# Altium PCB smoothieboard-5driver.PcbDoc (part 2 of 5)
Units mm, origin at the board's own origin, x right, y up, seen from the top; angles counter-clockwise.
Board outline 129.55 x 105.03 mm, 4 copper layers (Top, Route2, Route15, Bottom), stack 1.46 mm thick; 318 components, 238 nets, 1069 pads, 669 vias.
Unrouted connection lines stored in the file: 1.
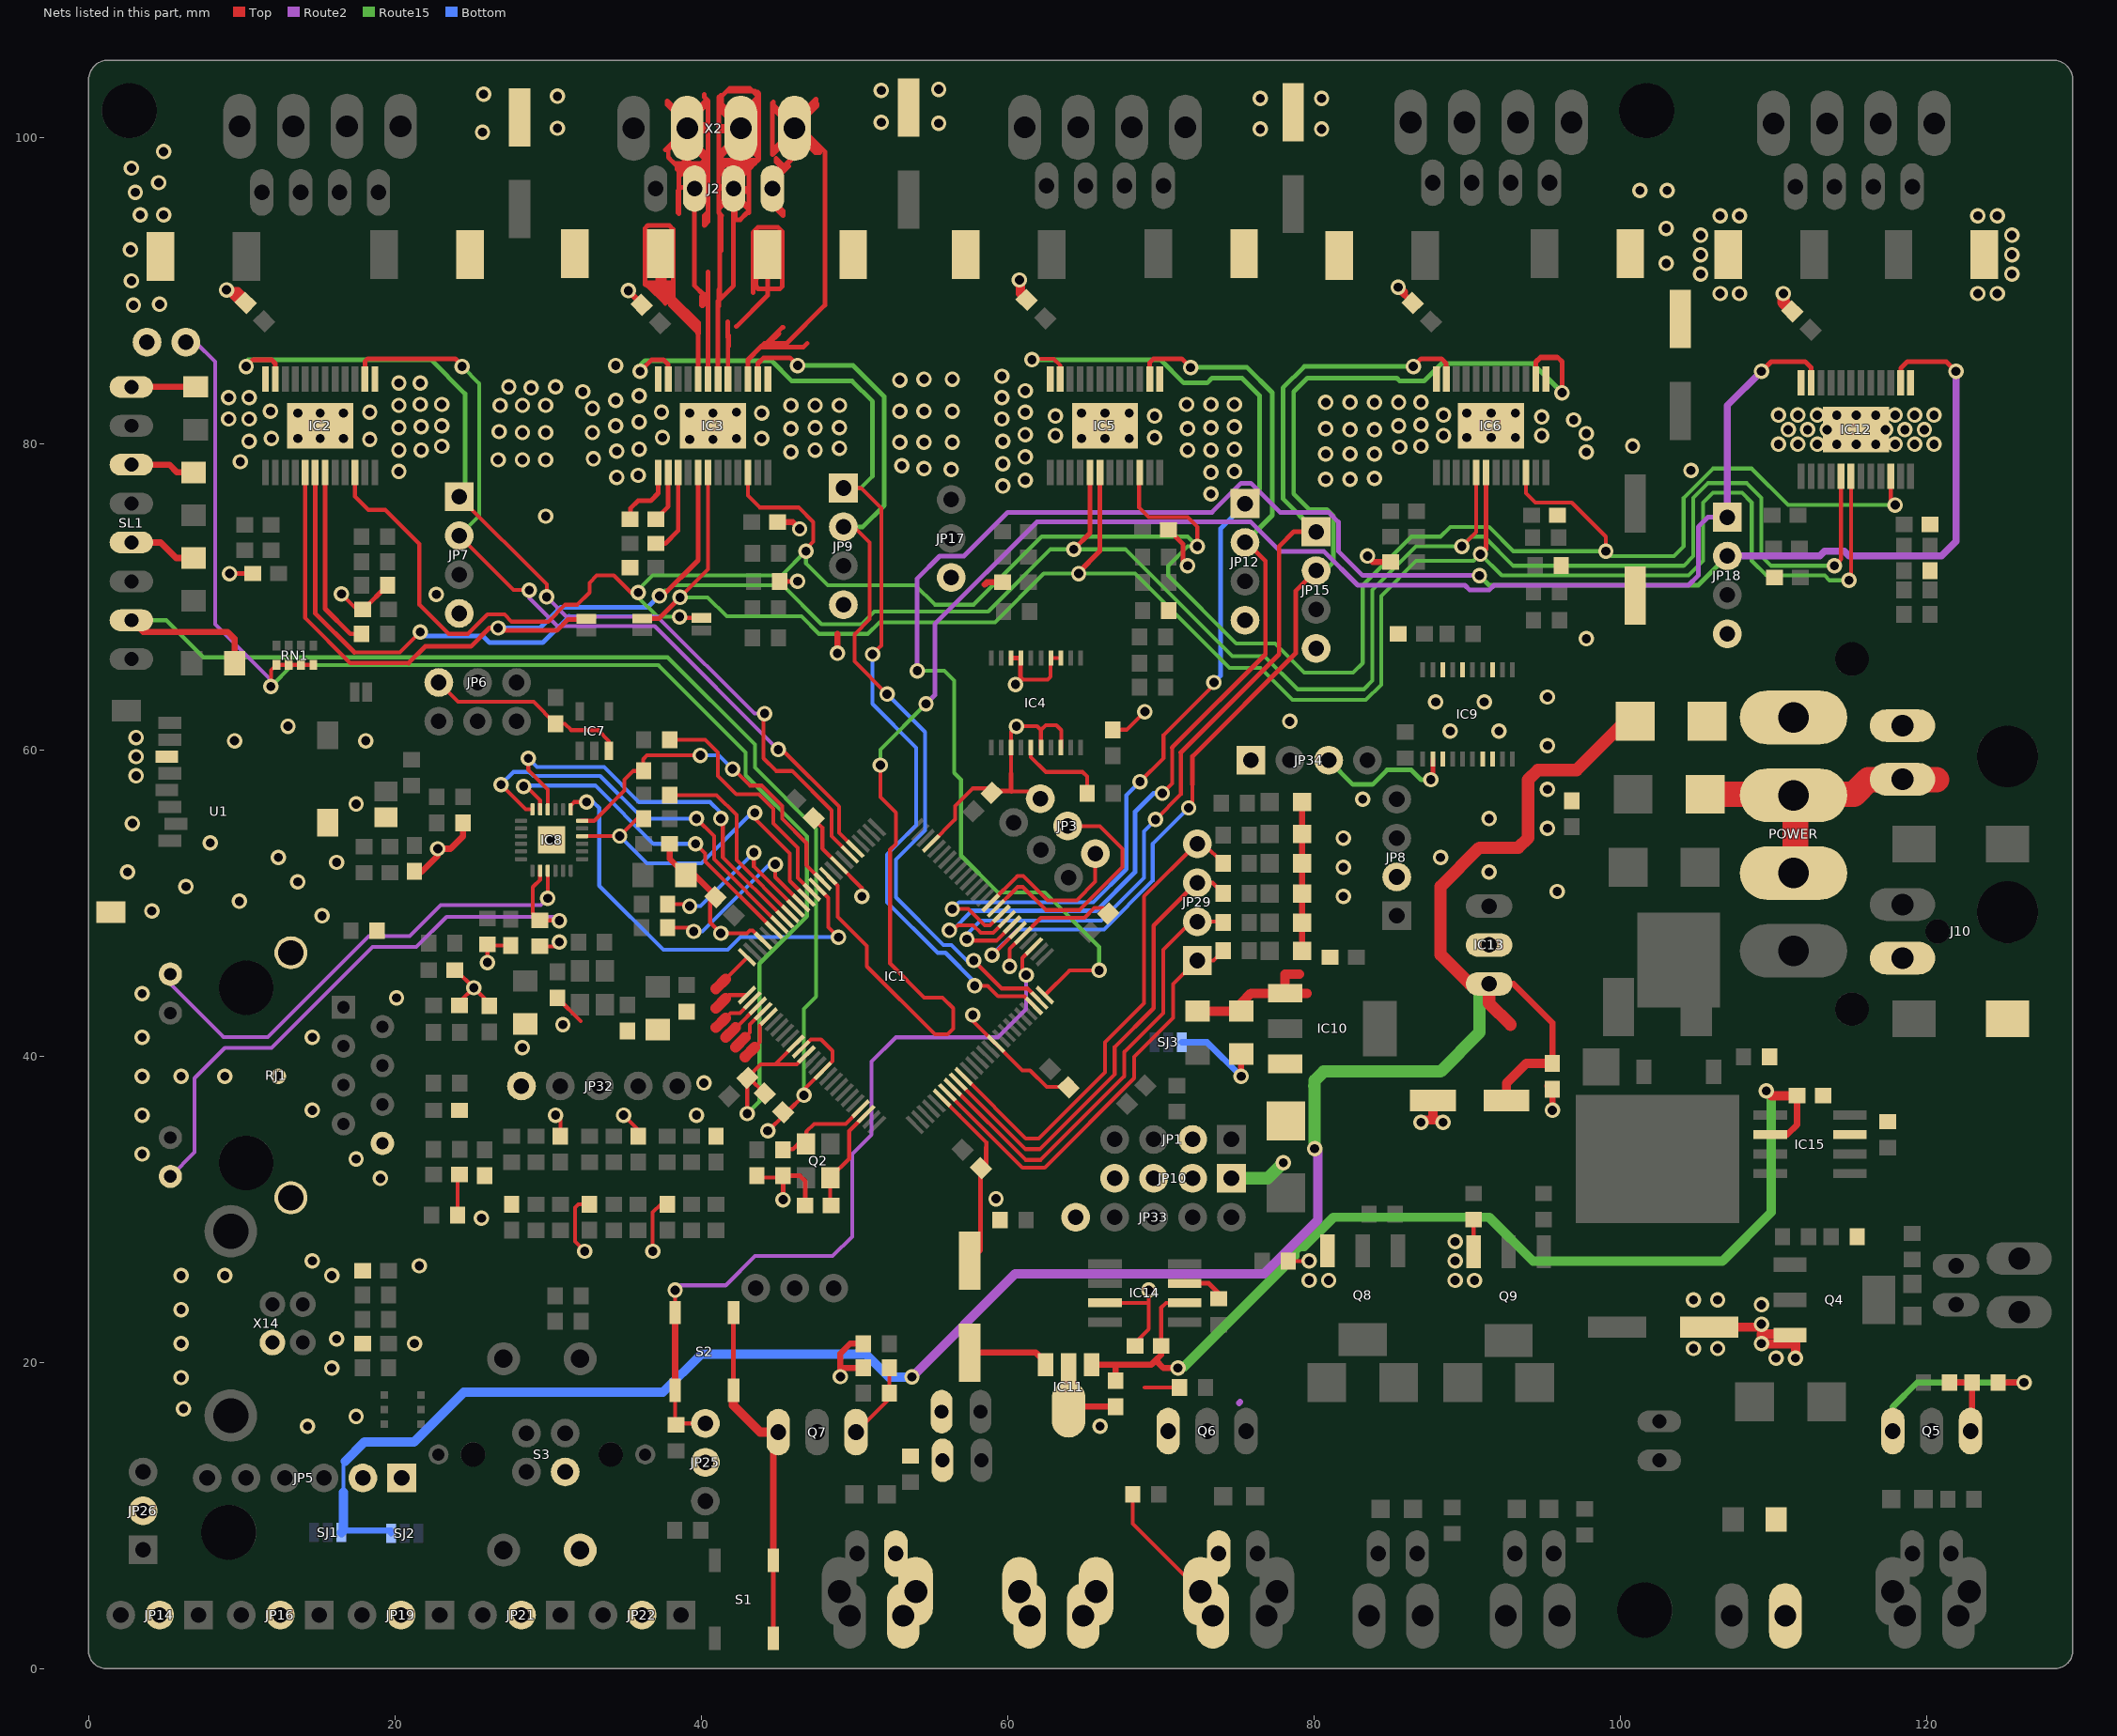
[diagram p4: the nets of this part, all layers, seen from the top]

## Via types
v1: diameter 1.006/1.006/1.006/1.006 (per signal layer), hole 0.6, Top to Bottom, tented both sides, 666 vias
v2: diameter 0.737/0.737/0.737/0.737 (per signal layer), hole 0.33, Top to Bottom, tented both sides, 2 vias
v3: diameter 1.016/1.006/1.006/1.016 (per signal layer), hole 0.6, Top to Bottom, tented both sides, 1 vias

## Nets (pads, with @x,y where several pads share a name; then routed paths per layer and width w, separated by ;. In a path a pad name is that pad's centre, name@x,y a point inside that pad or via, vN(x,y) a via of type N, cw(c..) or ccw(c..) an arc to the next point about the centre after c; other vN are vias at no path point) (continued)
5V: C64.A C76.1 C84.+ D1.C D2.C IC10.3 IC13.3 SJ1.3 SJ2.3 SJ3.3 | length 153.9
  Top w0.406: v1(75.256,38.672) C64.A@75.256,40.129 ; IC13.3@91.448,44.704 93.036,44.704 95.576,42.164 C76.1@95.576,39.521
  Top w0.61: C84.+@92.578,37.084 92.578,38.214 93.885,39.521 C76.1@95.576,39.521
  Top w0.813: 92.845,42.037 91.448,43.434 IC13.3@91.448,44.704 90.178,44.704 88.273,46.609 88.273,51.054 90.813,53.594 93.353,53.594 93.988,54.229 93.988,58.039 94.623,58.674 97.163,58.674 100.338,61.849 D2.C@100.973,61.849
  Route2 w0.61: v1(53.758,19.029) 60.508,25.779 76.758,25.779 80.258,29.279 80.258,33.739 v1(80.054,33.943)
  Route15 w0.813: 80.018,38.036 80.054,38 ; v1(80.054,33.943) 80.054,38 ; IC13.3@91.448,44.704 90.813,44.069 90.813,41.529 88.273,38.989 80.653,38.989 80.054,38.39 80.054,38
  Bottom w0.254: 16.645,11.493 16.645,13.416 16.758,13.529
  Bottom w0.406: SJ1.3@16.645,9.007 19.757,9.007 SJ2.3@19.757,8.826 ; SJ3.3@71.382,40.894 73.033,40.894 v1(75.256,38.672)
  Bottom w0.61: SJ1.3@16.512,8.874 16.645,9.007 16.645,11.493 ; 16.758,13.529 18.008,14.779 21.258,14.779 24.508,18.029 37.508,18.029 40.008,20.529 50.758,20.529 52.258,19.029 v1(53.758,19.029)
12VREG: C62.1 C66.1 C75.1 IC11.1 IC14.6 IC15.6 | length 71.9
  Top w0.254: C66.1@70.032,21.058 70.032,23.553 70.355,23.876 IC14.6@71.569,23.876
  Top w0.406: IC11.1@65.487,19.84 67.062,19.84 ; C62.1@67.062,18.792 67.062,19.84 ; C66.1@70.032,21.058 70.032,20.475 69.677,20.12 ; v1(71.128,19.621) 70.176,19.621 69.677,20.12 ; IC15.6@109.803,34.861 110.918,34.861 111.553,35.496 C75.1@111.553,37.401 ; 67.062,19.84 69.397,19.84 69.677,20.12
  Top w0.61: v1(109.546,37.719) 109.863,37.401 C75.1@111.553,37.401
  Route15 w0.61: v1(71.128,19.621) 71.446,19.621 78.748,26.924 78.748,27.241 79.066,27.559 79.383,27.559 81.288,29.464 91.448,29.464 94.306,26.607 106.688,26.607 109.863,29.781 109.863,37.401 v1(109.546,37.719)
+5V: D2.A POWER.P$4 X12.1
AGND: C6.2 C21.C C22.C C23.C C24.C IC1.11 IC1.15 JP35.2 SL1.1 SL1.3 SL1.5 SL1.7 | length 98.8
  Top w0.254: C6.2@45.354,36.335 45.614,36.335 v1(46.708,37.429) 46.708,37.793 IC1.15@47.94,39.025 48.586,39.67 48.586,40.322 47.824,41.084 47.171,41.084 IC1.11@46.526,40.439
  Top w0.406: SL1.7@2.802,68.453 3.564,67.691 9.089,67.691 9.536,67.243 C24.C@9.536,65.659 ; SL1.5@2.802,73.533 4.707,73.533 5.72,72.52 C23.C@6.866,72.52 ; SL1.3@2.802,78.613 5.279,78.613 5.783,78.108 C22.C@6.866,78.108 ; SL1.1@2.802,83.693 2.805,83.696 C21.C@6.993,83.696
  Route15 w0.254: SL1.7@2.802,68.453 5.084,68.453 7.508,66.029 37.808,66.029 43.508,60.329 43.508,58.829 47.508,54.829 47.508,43.879 46.708,43.079 v1(46.708,37.429)
AVCC: C6.1 IC1.10 IC1.12 JP35.1 L1.1 RN1.1 RN1.2 RN1.3 RN1.4 | length 100.2
  Top w0.254: v1(11.908,64.129) 11.908,65.18 RN1.1@12.27,65.542 RN1.2@13.07,65.542 RN1.3@13.87,65.542 RN1.4@14.67,65.542 ; v1(43.008,36.229) 43.008,38.555 L1.1@43.027,38.574 ; C6.1@44.152,37.537 43.115,38.574 L1.1@43.027,38.574 ; IC1.10@46.172,40.793 44.821,39.442 ; IC1.12@46.879,40.086 46.236,39.442 44.821,39.442 ; L1.1@43.027,38.574 43.895,39.442 44.821,39.442
  Route2 w0.254: JP35.1@6.358,86.614 6.993,86.614 8.263,85.344 8.263,68.199 11.908,64.554 v1(11.908,64.129)
  Route15 w0.254: v1(11.908,64.129) 13.308,65.529 37.208,65.529 42.908,59.829 42.908,58.329 46.908,54.329 46.908,49.129 43.808,46.029 43.808,37.029 v1(43.008,36.229)
CTS: JP5.2
DIR1: IC1.80 IC2.P14 JP7.2 | length 55.5
  Top w0.254: JP7.2@24.202,73.977 27.758,70.421 v1(28.774,70.421) ; v1(45.03,60.008) 45.279,60.008 49.008,56.279 49.008,54.574 IC1.80@50.061,53.521
  Top w0.305: IC2.P14@18.046,84.203 18.046,85.348 18.233,85.534 23.948,85.534 24.138,85.344 24.138,85.281 v1(24.392,85.026)
  Route2 w0.254: v1(28.774,70.421) 28.774,69.913 30.615,68.072 36.965,68.072 v1(45.03,60.008)
  Route15 w0.254: JP7.2@24.202,73.977 25.508,75.284 25.508,83.91 v1(24.392,85.026)
DIR2: IC1.49 IC3.P14 JP9.2 | length 61.4
  Top w0.254: JP9.2@49.284,74.549 49.988,74.549 51.008,73.529 51.008,68.529 50.008,67.529 50.008,65.761 v1(52.142,63.627) ; v1(57.793,46.228) 59.619,44.402 61.301,44.402 IC1.49@62.082,43.621
  Top w0.305: IC3.P14@43.7,84.203 43.7,85.221 44.077,85.598 45.792,85.598 v1(46.3,85.09)
  Route15 w0.305: v1(46.3,85.09) 49.919,85.09 51.951,83.058 51.951,75.946 50.554,74.549 JP9.2@49.284,74.549
  Bottom w0.254: v1@52.332,63.436 54.618,61.151 54.618,54.737 52.713,52.832 52.713,50.355 55.825,47.244 56.333,47.244 57.349,46.228 v1(57.793,46.228)
  Bottom w0.305: v1(52.142,63.627) v1@52.332,63.436
DIR3: IC1.58 IC5.P14 JP12.2 | length 64.9
  Top w0.254: v1(56.206,48.197) 56.425,48.197 56.758,48.529 57.758,48.529 58.258,48.029 59.066,48.029 IC1.58@59.961,48.924 ; v1(70.112,57.15) 70.747,57.785 70.747,60.134
  Top w0.305: IC5.P14@69.291,84.203 69.291,85.285 69.541,85.534 71.382,85.534 v1(71.954,84.963) ; 70.747,60.134 76.843,66.23 76.843,72.326 75.637,73.533 JP12.2@75.51,73.533
  Route15 w0.305: v1(71.954,84.963) 75.637,84.963 77.288,83.312 77.288,75.311 JP12.2@75.51,73.533
  Bottom w0.254: v1(56.206,48.197) 56.396,48.197 57.666,49.466
  Bottom w0.305: 57.666,49.466 65.794,49.466 68.334,52.006 68.334,55.944 69.541,57.15 v1(70.112,57.15) ; JP12.2@75.51,73.533 JP12.2@75.637,73.533
DIR4: IC1.56 IC6.P14 JP15.2 | length 80.8
  Top w0.254: v1(58.992,46.584) 59.035,46.584 IC1.56@60.668,48.217 IC1.56@60.668,48.214 ; v1(71.827,56.197) 72.081,56.451 72.081,57.721
  Top w0.305: 72.081,57.721 72.081,59.563 78.812,66.294 78.812,70.358 JP15.2@80.145,71.691 ; v1(96.211,83.312) 96.211,85.344 95.957,85.598 ; 95.957,85.598 94.814,85.598 94.5,85.285 IC6.P14@94.5,84.203 94.5,85.348 94.814,85.661 95.893,85.661 95.957,85.598
  Route15 w0.305: JP15.2@80.145,71.691 80.717,71.691 81.288,72.263 81.288,75.248 80.844,75.692 79.701,75.692 78.685,76.708 78.685,83.376 79.574,84.264 85.416,84.264 85.606,84.074 87.194,84.074 88.337,85.217 94.306,85.217 v1(96.211,83.312)
  Bottom w0.254: v1(58.992,46.584) 60.668,48.26 66.302,48.26 69.477,51.435 69.477,53.848 v1(71.827,56.197)
DIR5: IC1.50 IC12.P14 JP18.2 | length 129.4
  Top w0.254: IC1.50@62.436,43.975 64.054,45.593 v1(65.985,45.593)
  Top w0.305: IC12.P14@118.32,83.959 118.32,84.911 118.753,85.344 121.293,85.344 v1(121.928,84.709)
  Route2 w0.305: v1(54.11,65.151) 54.11,71.183 55.571,72.644 57.158,72.644 60.016,75.501 73.351,75.501 75.256,77.406 75.891,77.406 77.796,75.501 80.971,75.501 81.606,74.867 81.606,72.962 83.193,71.374 v1(90.813,71.374)
  Route2 w0.457: JP18.2@107.006,72.644 113.038,72.644 113.356,72.962 114.626,72.962 114.943,72.644 120.976,72.644 121.928,73.596 v1(121.928,84.709)
  Route15 w0.254: v1(54.11,65.151) 55.886,65.151 56.523,64.514 56.523,58.483 56.968,58.039 56.968,53.086 59.381,50.673 62.429,50.673 65.985,47.117 v1(65.985,45.593)
  Route15 w0.305: v1(90.813,71.374) 91.448,70.739 105.101,70.739 JP18.2@107.006,72.644
EN1: IC1.81 IC2.P23 JP7.1 | length 64.3
  Top w0.254: JP7.1@24.202,76.517 29.917,70.802 v1(29.917,69.977) ; v1(44.141,62.357) 44.077,62.293 44.077,59.436 44.903,58.61 45.927,58.61 48.508,56.029 48.508,54.367 IC1.81@49.708,53.167
  Top w0.305: v1(10.295,85.026) 10.74,85.471 11.946,85.471 12.196,85.221 IC2.P23@12.196,84.203
  Route2 w0.254: v1(29.917,69.977) 31.199,68.694 37.143,68.694 43.48,62.357 v1(44.141,62.357)
  Route15 w0.305: v1(10.295,85.026) 10.295,85.344 10.422,85.471 22.36,85.471 24.583,83.248 JP7.1@24.583,77.279
  Route15 w0.406: JP7.1@24.202,76.517 24.583,76.517 JP7.1@24.583,77.279
EN2: IC1.48 IC3.P23 JP9.1 | length 70.6
  Top w0.254: JP9.1@49.284,77.089 50.448,77.089 51.758,75.779 51.758,66.799 v1(51.189,66.23) ; v1(57.857,44.577) 58.71,44.577 59.385,43.902 61.094,43.902 IC1.48@61.729,43.267
  Top w0.305: v1(36.013,84.709) 36.775,85.471 37.537,85.471 37.85,85.158 IC3.P23@37.85,84.203
  Route15 w0.254: JP9.1@49.284,77.089 50.427,77.089 51.189,77.851
  Route15 w0.305: v1(36.013,84.709) 36.013,85.09 36.33,85.407 44.585,85.407 45.919,84.074 49.856,84.074 51.189,82.74 51.189,77.851
  Bottom w0.254: v1(51.189,66.23) 51.189,62.992 54.047,60.134 54.047,55.054 52.142,53.149 52.142,50.038 55.444,46.736 55.952,46.736 57.857,44.831 v1(57.857,44.577)
EN3: IC1.59 IC5.P23 JP12.1 | length 70
  Top w0.254: v1(56.396,49.593) 57.443,49.593 58.508,48.529 58.859,48.529 IC1.59@59.607,49.278 ; v1(61.603,85.471) 61.661,85.529 63.008,85.529 63.44,85.097 IC5.P23@63.44,84.203 ; v1(68.652,57.912) 70.19,59.451 70.19,60.962 73.478,64.249 v1(73.478,64.389)
  Route15 w0.254: v1(61.603,85.471) v1@62.04,85.471
  Route15 w0.305: v1@62.04,85.471 69.985,85.471 71.509,83.947 73.033,83.947 73.351,84.264 75.319,84.264 76.462,83.121 76.462,77.025 JP12.1@75.51,76.073
  Bottom w0.254: v1(56.396,49.593) 56.841,50.038 65.604,50.038 67.763,52.197 67.763,57.023 v1(68.652,57.912)
  Bottom w0.305: v1(73.478,64.389) 73.917,64.828 73.917,74.438 75.51,76.031 JP12.1@75.51,76.073
EN4: IC1.57 IC6.P23 JP15.1 | length 67.9
  Top w0.254: v1(57.349,47.625) 57.445,47.529 59.284,47.529 60.314,48.559 IC1.57@60.314,48.571 ; v1(69.668,55.435) 71.319,57.087 71.319,59.817
  Top w0.305: 71.319,59.817 77.732,66.23 77.732,73.279 78.685,74.231 JP15.1@80.145,74.231 ; v1(86.495,85.026) 87.003,85.534 88.337,85.534 88.65,85.221 IC6.P23@88.65,84.203
  Route15 w0.305: JP15.1@80.145,74.231 77.986,76.391 77.986,83.629 79.383,85.026 v1(86.495,85.026)
  Bottom w0.254: v1(57.349,47.625) 57.349,47.942 58.238,48.831 66.112,48.831 68.906,51.625 68.906,54.673 v1(69.668,55.435)
EN5: IC1.85 IC12.P23 JP18.1 | length 120.8
  Top w0.254: IC1.85@48.294,51.753 48.294,51.727 48.903,51.117 48.903,49.085 50.808,47.18 50.808,45.847 55.253,41.402 56.079,41.402 56.46,41.783 56.46,43.116 55.761,43.815 54.555,43.815 52.332,46.038 52.332,53.467 52.713,53.848 52.713,55.88 51.697,56.896 v1(51.697,58.991)
  Top w0.305: v1(109.228,84.709) 109.863,85.344 112.086,85.344 112.471,84.959 IC12.P23@112.47,83.959
  Route2 w0.305: v1(54.682,62.992) 55.253,63.563 55.253,68.199 61.921,74.867 75.891,74.867 77.796,72.962 80.653,72.962 82.876,70.739 89.861,70.739 90.178,70.421 91.448,70.421 91.766,70.739 104.466,70.739 105.101,71.374 105.101,74.549 105.736,75.184 JP18.1@107.006,75.184
  Route2 w0.457: JP18.1@107.006,75.184 107.006,82.486 v1(109.228,84.709)
  Route15 w0.254: v1(51.697,58.991) 51.697,60.008 v1(54.682,62.992)
ENET_CRS: IC1.92 R60.2 | length 12.8
  Top w0.254: R60.2@37.942,57.023 37.948,57.029 41.008,57.029 42.308,55.729 42.308,52.789 IC1.92@45.819,49.278
ENET_MDC: IC1.87 IC8.13 | length 29
  Top w0.254: IC8.13@31.484,56.102 31.484,56.368 31.695,56.578 v1(32.52,56.578) ; IC1.87@47.587,51.046 48.308,50.324 48.308,48.411 v1(48.967,47.752)
  Bottom w0.254: v1(32.52,56.578) 32.965,56.578 33.346,56.197 33.346,51.117 37.537,46.926 41.728,46.926 42.553,47.752 v1(48.967,47.752)
ENET_MDIO: IC1.86 IC8.12 R52.1 | length 23.4
  Top w0.254: IC8.12@32.234,55.352 33.008,55.352 34.997,57.34 34.997,58.039 35.568,58.61 36.14,58.61 36.203,58.547 36.33,58.547 36.267,58.61 R52.1@36.242,58.61 36.203,58.61 36.203,59.372 36.457,59.627 v1(39.95,59.627) ; v1(42.045,58.737) 42.109,58.737 43.188,57.658 43.95,57.658 45.284,56.325 45.284,55.499 46.871,53.911 46.871,52.468 IC1.86@47.94,51.399
  Bottom w0.254: v1(39.95,59.627) 41.156,59.627 v1(42.045,58.737)
ENET_REF_CLK: IC1.88 R51.2 | length 16
  Top w0.254: R51.2@37.942,60.642 40.267,60.642 41.093,59.817 41.093,58.293 42.299,57.087 43.76,57.087 44.712,56.134 44.712,55.181 46.3,53.594 46.3,51.625 IC1.88@47.233,50.692
ENET_RX_ER: IC1.89 IC8.10 R53.1 | length 22.4
  Top w0.254: IC8.10@32.234,54.352 34.675,54.352 v1(34.679,54.356) 35.822,55.499 R53.1@36.242,55.499 ; v1(43.506,55.88) 43.506,55.499 45.792,53.213 45.792,51.426 IC1.89@46.879,50.338 IC1.89@46.879,50.347
  Bottom w0.254: v1(34.679,54.356) 36.457,52.578 40.013,52.578 43.315,55.88 v1(43.506,55.88)
ENET_RXD0: IC1.91 R58.2 | length 11.9
  Top w0.254: R58.2@37.815,49.911 39.124,49.911 v1(39.251,49.784) ; v1(43.442,53.276) 43.442,52.362 IC1.91@46.172,49.631
  Bottom w0.254: v1(39.251,49.784) 39.95,49.784 v1(43.442,53.276)
ENET_RXD1: IC1.90 R59.2 | length 12.6
  Top w0.254: R59.2@37.815,48.387 39.251,48.387 v1(39.505,48.133) v1@39.886,48.133 ; v1(44.839,52.514) 44.839,51.672 IC1.90@46.526,49.985
  Bottom w0.254: v1(39.505,48.133) 40.077,48.133 44.458,52.514 v1(44.839,52.514)
ENET_TX_EN: IC1.93 IC8.16 | length 26.6
  Top w0.254: v1(28.71,59.436) 28.71,58.674 29.984,57.4 IC8.16@29.984,56.102 ; v1(41.283,55.499) 41.41,55.372 41.41,52.98 IC1.93@45.465,48.924
  Bottom w0.254: v1(28.71,59.436) 29.282,58.864 33.663,58.864 35.949,56.578 40.585,56.578 41.283,55.88 v1(41.283,55.499)
ENET_TXD0: IC1.95 IC8.17 | length 22.6
  Top w0.254: v1(28.404,57.606) 28.571,57.606 29.484,56.694 IC8.17@29.484,56.102 ; v1(39.632,53.848) 40.267,53.213 40.267,52.705 40.27,52.705 IC1.95@44.758,48.217
  Bottom w0.254: v1@28.393,57.594 v1(28.404,57.606) 28.456,57.658 33.092,57.658 36.902,53.848 v1(39.632,53.848)
ENET_TXD1: IC1.94 IC8.18 | length 26.3
  Top w0.254: v1(26.932,57.721) 28.552,56.102 IC8.18@28.984,56.102 ; v1(39.696,55.499) 40.839,54.356 40.839,52.844 IC1.94@45.112,48.571
  Bottom w0.254: v1(26.932,57.721) 27.758,58.547 28.774,58.547 29.028,58.293 33.409,58.293 36.203,55.499 v1(39.696,55.499)
ETA_CURRENT: IC9.2 JP34.3 | length 9.4
  Top w0.305: v1(87.638,58.039) 87.768,58.169 IC9.2@87.768,59.391
  Route15 w0.305: JP34.3@80.971,59.309 82.558,57.721 83.828,57.721 84.781,58.674 86.368,58.674 87.003,58.039 v1(87.638,58.039)
GND: C1.1 C2.2 C3.2 C4.1 C5.1 C7.C C8.1 C9.1 C10.1 C11.1 C12.1 C13.1 C14.1 C15.1 C16.1 C25.2 C26.- C27.2 C28.2 C29.- C30.2 C31.1 C32.1 C33.1 C38.2 C39.- C40.2 C41.2 C42.- C43.2 C44.2 C45.C C46.2 C47.2 C48.C C49.2 C50.C C51.2 C52.2 C53.2 C54.2 C55.2 C56.2 C57.2 C58.2 C59.2 C60.- C61.C C62.2 C63.- C64.C C65.2 C66.2 C67.1 C68.1 C71.2 C72.1 C73.2 C74.- C75.2 C76.2 C77.2 C78.2 C79.2 C80.2 C81.2 C82.2 C83.2 C84.- D4.A IC1.31 IC1.41 IC1.55 IC1.72 IC1.83 IC1.97 IC2.EPAD IC2.P13 IC2.P24 IC3.EPAD IC3.P13 IC3.P24 IC4.3 IC4.4 IC4.7 IC4.8 IC4.13 IC4.16 IC4.18 IC5.EPAD IC5.P13 IC5.P24 IC6.EPAD IC6.P13 IC6.P24 IC7.3 IC8.THERM IC9.3 IC9.7 IC9.8 IC9.13 IC9.16 IC9.18 IC10.1 IC11.2 IC11.2@1 IC12.EPAD IC12.P13 IC12.P24 IC13.2 IC14.3 IC15.3 J10.VIN0 JP1.2 JP3.3 JP5.1 JP6.3 JP7.4 JP8.2 JP9.4 JP10.1 JP10.2 JP10.3 JP10.4 JP12.4 JP14.2 JP15.4 JP16.2 JP17.3 JP18.4 JP19.2 JP21.2 JP22.2 JP23.2 JP25.2 JP26.2 JP32.5 JP33.5 JP34.1 LED1.C LED2.C LED3.C LED4.C LED9.C LED10.C POWER.P$2 POWER.P$3 Q4.3 Q5.S Q6.S Q7.S Q8.3 Q9.3 R19.2 R21.1 R26.2 R27.2 R31.1 R32.1 R33.1 R34.1 R40.2 R43.2 R46.1 R47.1 R48.1 R49.1 R50.1 R61.1 R62.1 R63.1 R71.1 R72.1 R74.2 R76.2 R79.1 R83.2 R86.2 R87.1 R89.2 R90.2 R91.2 RJ1.GND RJ1.SHIELD0 RJ1.SHIELD1 S1.3 S1.4 S2.3 S2.4 S3.2 U1.6 U1.CD2 U1.GND1 U$5.P$2 X6.2 X11.2 X12.2 X13.2 X14.GND | length 278
  Top w0.254: v1(16.514,70.169) 17.531,69.151 C25.2@17.891,69.151 ; JP6.3@22.868,64.389 24.131,63.126 29.059,63.126 C44.2@30.488,61.698 31.089,61.698 31.508,61.279 33.258,61.279 33.978,60.559 IC7.3@33.978,59.914 ; C54.2@23.908,45.593 24.011,45.593 v1(25.154,44.45) ; R50.1@24.099,29.591 24.099,32.131 C56.2@24.226,32.258 ; C55.2@24.226,43.307 24.226,43.522 v1(25.154,44.45) ; v1(26.043,46.101) R63.1@26.043,47.283 26.107,47.22 C46.2@27.567,47.22 ; C52.2@26.17,43.268 26.17,43.434 v1(25.154,44.45) ; C45.C@28.52,42.097 C45.C@28.922,42.097 ; R62.1@29.472,47.156 30.464,47.156 v1(30.742,47.434) ; v1(30.488,36.131) 30.806,35.814 C78.2@30.806,34.759 ; C59.2@30.615,43.791 32.139,42.267 ; v1(32.393,27.241) 31.758,27.877 31.758,30.099 31.973,30.314 C82.2@32.711,30.314 ; v1(34.933,36.131) 35.886,35.179 C79.2@35.886,34.759 ; v1(36.838,27.241) 36.838,29.781 37.37,30.314 C83.2@37.791,30.314 ; C11.1@40.936,50.385 40.902,50.419 40.585,50.102 40.585,48.704 v1(41.283,48.006) 42.998,48.006 43.188,48.197 43.365,48.197 IC1.97@44.051,47.51 IC1.97@44.051,47.524 ; C13.1@43.643,32.179 43.754,32.067 C2.2@45.347,32.067 ; v1(44.347,35.107) 44.386,35.107 45.411,36.131 ; C2.2@45.347,32.17 45.386,32.131 C2.2@45.411,32.131 ; C3.2@46.783,30.226 C3.2@46.808,30.226 ; C12.1@47.345,55.533 C12.1@47.345,55.528 ; C12.1@47.379,55.562 C12.1@47.345,55.528 ; v1(50.491,50.419) 50.491,50.97 IC1.83@49.001,52.46 47.914,53.547 47.914,54.901 47.316,55.499 C12.1@47.345,55.528 ; IC1.72@55.011,53.874 56.587,55.449 56.587,56.325 57.73,57.468 58.678,57.468 C14.1@58.965,57.179 ; IC1.31@55.718,37.257 56.841,36.135 56.841,36.131 58.619,34.353 58.619,34.036 58.619,33.024 C10.1@58.267,32.673 ; v1(57.73,42.672) 57.73,42.291 IC1.41@59.254,40.767 ; IC1.41@59.254,40.793 IC1.41@59.254,40.767 ; v1(60.143,45.847) 60.143,46.985 IC1.55@61.022,47.864 ; 60.232,58.446 IC4.13@60.232,60.138 60.232,61.176 v1(60.587,61.531) 61.935,61.531 62.182,61.285 ; IC4.8@60.232,65.973 IC4.7@60.882,65.973 60.882,64.729 61.032,64.579 62.619,64.579 62.81,64.77 62.81,65.951 IC4.4@62.832,65.973 IC4.3@63.482,65.973 ; 60.27,57.277 61.667,57.277 JP3.3@62.138,56.805 ; IC1.55@61.022,47.869 IC1.55@61.022,47.864 ; IC4.16@62.182,60.138 62.182,61.285 ; IC4.18@63.482,60.138 63.508,60.164 63.508,61.277 63.191,61.595 62.492,61.595 62.182,61.285 ; C9.1@63.982,37.944 63.953,37.973 62.556,37.973 61.476,39.052 60.968,39.052 IC1.41@59.254,40.767 ; 63.988,16.919 64.161,17.092 ; IC14.3@66.369,23.876 66.386,23.859 69.223,23.859 ; C8.1@66.585,49.305 66.234,49.657 65.667,49.657 65.032,49.022 62.18,49.022 IC1.55@61.022,47.864 ; C31.1@66.874,61.302 67.787,61.302 v1(68.969,62.484) ; C66.2@68.332,21.058 68.332,21.27 69.223,22.162 69.223,23.859 ; 68.957,18.351 R90.2@71.231,18.351 ; v1(69.223,24.701) 69.223,23.859 ; C38.2@70.517,74.358 C38.2@70.938,74.358 ; R74.2@78.328,26.585 78.409,26.585 78.431,26.607 v1(79.701,26.607)